# KiCad board AmigaPCI Mainboard.kicad_pcb (continued)
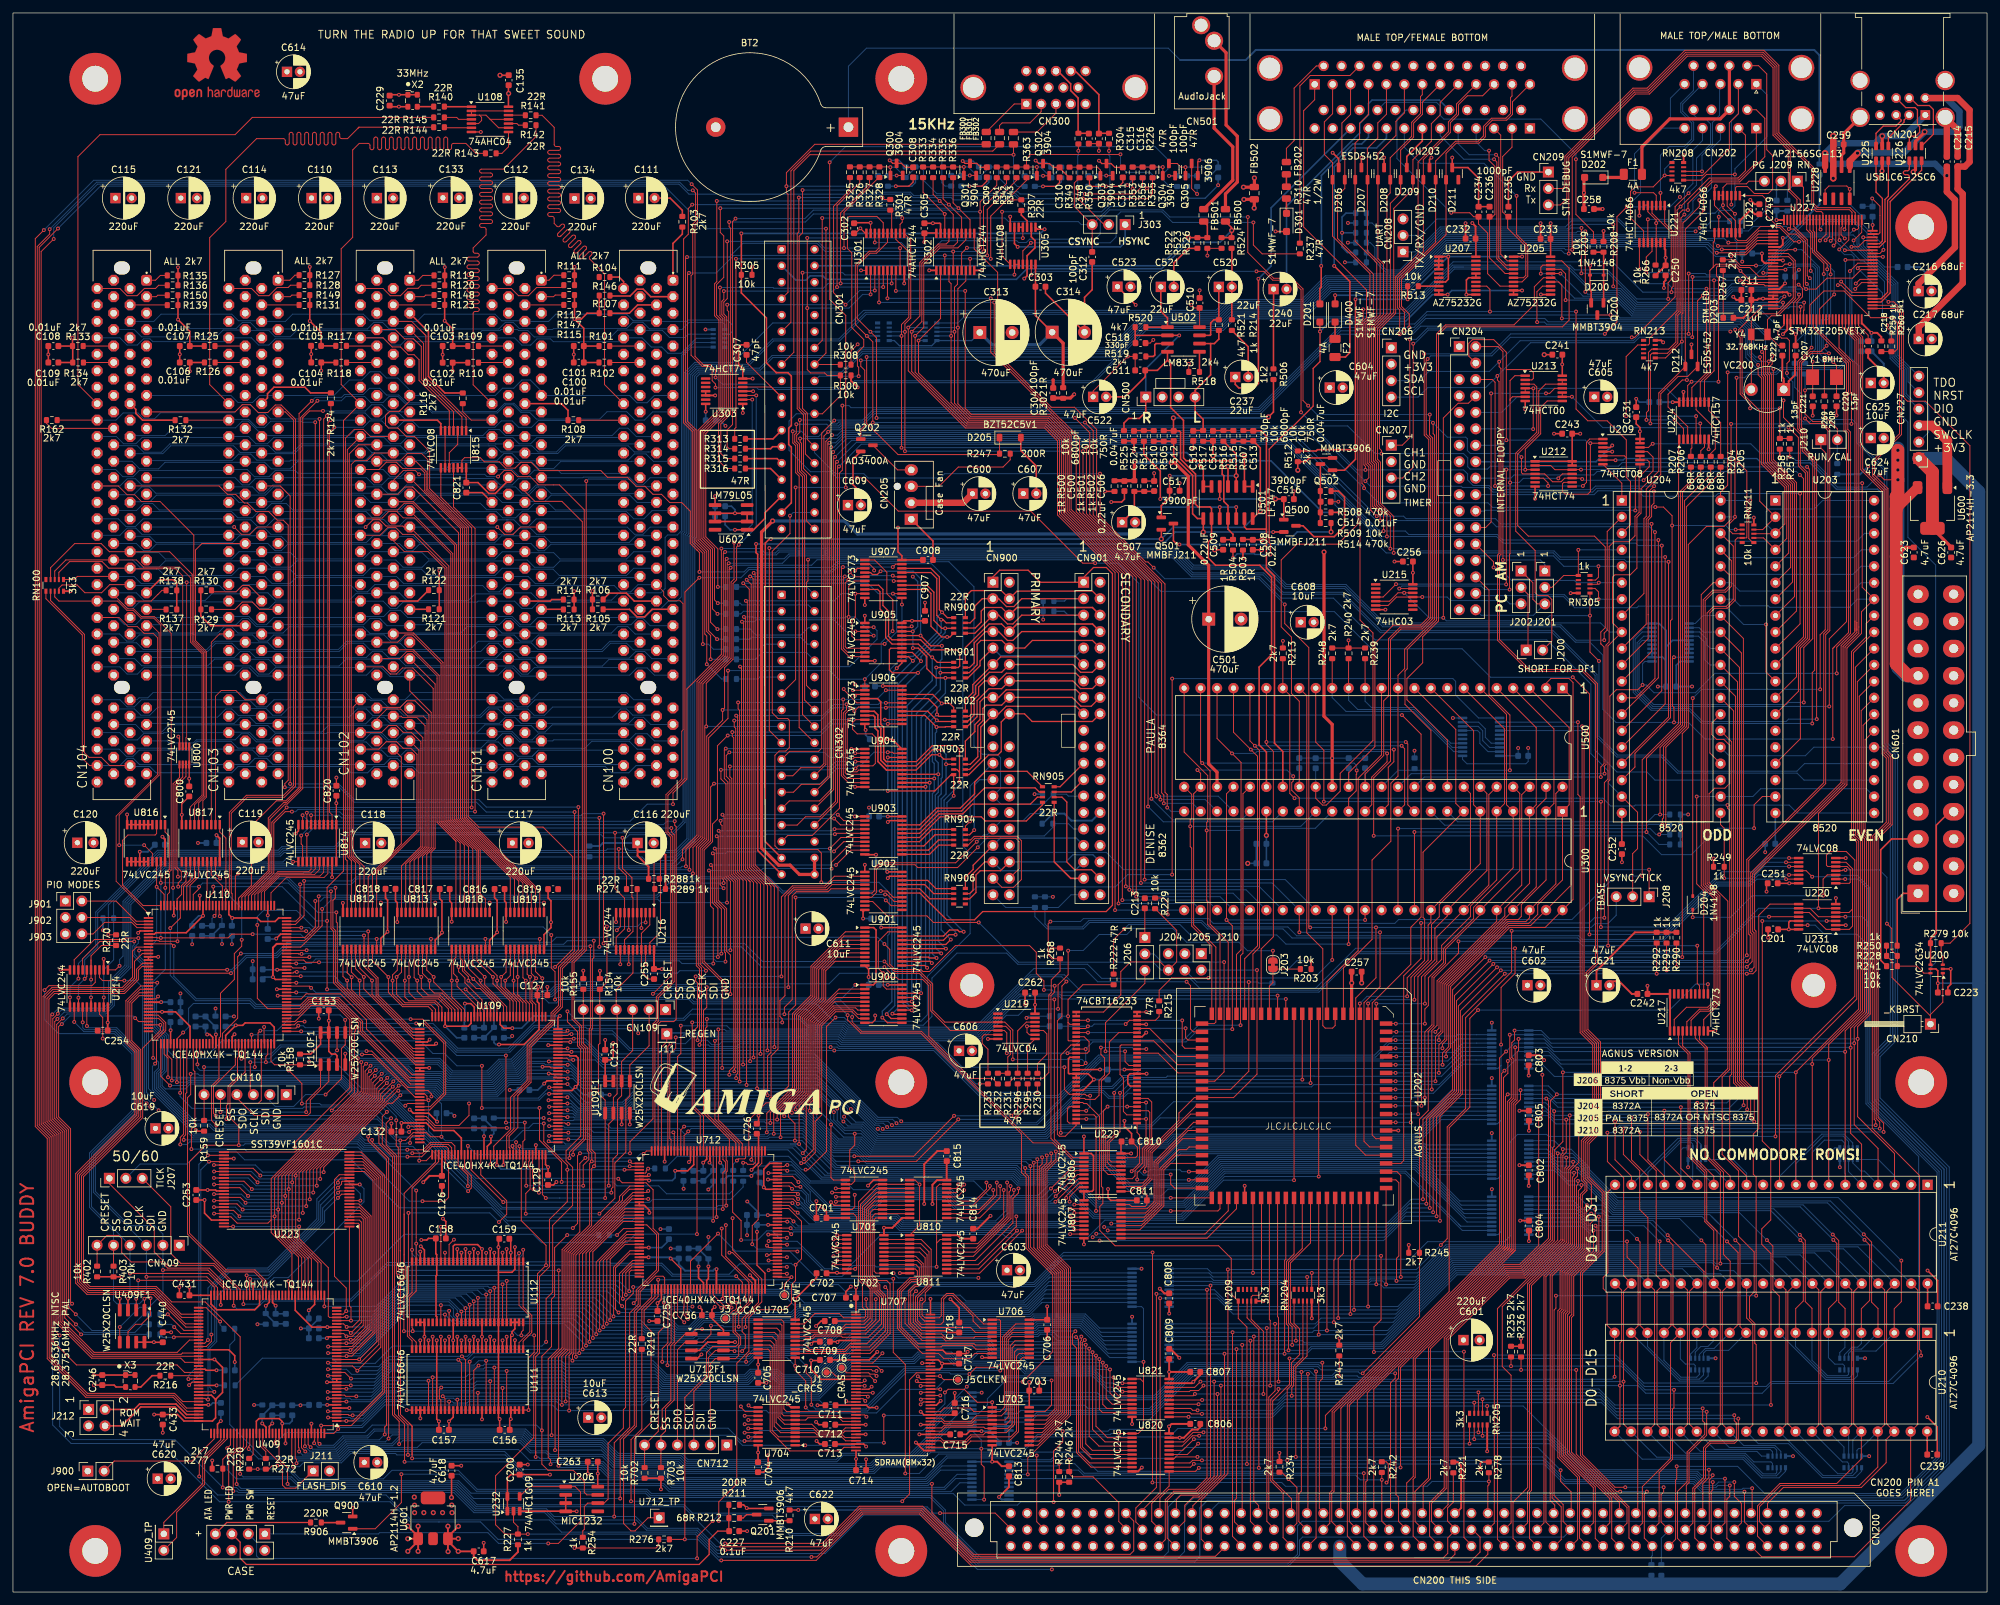
[diagram p0: board, top side]
## Routing (per net, layer and track width the routed paths; a pad name or vN(x,y) marks a point on that pad's centre or on a via; arc(x,y) is an arc through that point) (continued)
/PCI Bus/SMBCLK3: length 8.7
  Top w0.15: 38.4,153.48 36.46,155.42 35.41,155.42 34.44,154.45 30.9,154.45
/PCI Bus/SMBCLK4: length 6.2
  Top w0.15: R138.2 23.01,154.68 22.36,154.03 22.35,154.03 21.35,153.02 CN104.A40
/PCI Bus/SMBDAT0: length 11.7
  Top w0.25: CN100.A41 98.69,151.75 97.52,150.59 96.34,150.59 95.18,151.75 R105.2
/PCI Bus/SMBDAT1: length 3.4
  Top w0.25: CN101.A41 84.97,151.75
/PCI Bus/SMBDAT2: length 2.9
  Top w0.25: CN102.A41 64.16,151.75
/PCI Bus/SMBDAT3: length 11.2
  Top w0.15: R129.2 34.27,151.74 35.4,152.87 36.96,152.87 38.07,151.75 CN103.A41
/PCI Bus/SMBDAT4: length 3
  Top w0.15: CN104.A41 23.62,151.75
/PCI Bus/TDI0: length 7.7
  Top w0.25: 92.18,197.48 95.17,197.48 96.45,198.75 CN100.A4
/PCI Bus/TDI1: length 6
  Top w0.15: CN101.A4 85.04,198.75
/PCI Bus/TDI2: length 6.3
  Top w0.15: CN102.A4 65.01,198.75
/PCI Bus/TDI3: length 5.8
  Top w0.15: CN103.A4 44.16,198.75
/PCI Bus/TDI4: length 5.7
  Top w0.15: 23.79,198.75 CN104.A4
/PCI Bus/TMS0: length 10.6
  Top w0.25: 92.25,200.13 95.28,200.13 96.34,201.19 97.31,201.19 98.47,200.02 CN100.A3
/PCI Bus/TMS1: length 3.6
  Top w0.15: CN101.A3 83.47,200.02 83.73,200.28 R147.2
/PCI Bus/TMS2: length 3.9
  Top w0.15: CN102.A3 63.48,200.02 63.72,200.27 R148.2
/PCI Bus/TMS3: length 3.3
  Top w0.15: CN103.A3 42.82,200.02 43.06,200.27 R149.2
/PCI Bus/TMS4: length 3.3
  Top w0.15: R150.2 22.36,200.25 22.13,200.02 CN104.A3
/Power and Spares/_BTNRST: length 301.6
  Top w0.15: R254.1 87.98,9.44 88.22,9.68 88.22,13.21 88.74,13.74 U206.6 91.27,13.74 91.89,14.36 91.89,22.95 94.25,25.31 94.25,28.16 94.59,28.5 94.59,44.95 95.77,46.13 v1(95.77,47.1) ; v1(272.13,70.36) 272.13,79.77 284.38,92.01 284.38,113.03 283.06,114.35 280.55,114.35 280,113.8 280,112.24 280.2,112.04 U220.5 283.18,112.04 283.68,111.54 283.68,109.6 283.52,109.44 U220.1
  Bottom w0.15: v1(95.77,47.1) 97.01,47.1 97.36,46.75 120.94,46.75 121.55,46.14 138.23,46.14 139.27,47.18 157.8,47.18 162.01,51.39 215.71,51.39 218.42,54.11 230.29,54.11 231.16,54.98 231.16,69.53 232.3,70.66 236.8,70.66 237.11,70.36 v1(272.13,70.36)
/Power and Spares/_KBRSTH: length 28.4
  Top w0.15: U220.4 282.43,111.39 282.55,111.5 v1(282.94,111.5) ; U200.6 295.04,95.57 293.96,96.65 R241.2 R228.2 290.09,99.08 290.09,102.46 v1(289.34,103.21)
  Bottom w0.15: v1(289.34,103.21) 289.34,110.36 288.19,111.5 v1(282.94,111.5)
/Power and Spares/E_FANPWM: length 7.5
  Top w0.15: Q202.3 136.58,173.28 CN205.4
/Power and Spares/E_FANTACH: length 17.9
  Top w0.15: R247.1 153.98,174.84 152.86,173.72 145.96,173.72 142.98,170.74 CN205.3
/Serial/_RxD-IN: length 22.3
  Top w0.15: U205.2 230.74,205.56 229.71,206.58 229.71,224.98 CN203.28
/Serial/_TxD-OUT: length 26.8
  Top w0.15: CN203.27 231.45,223.11 230.01,221.67 230.01,213.11 230.78,212.34 230.78,210.6 233.58,207.79 233.58,203.31 233.23,202.95 U205.6
/Serial/AUDIOOUT: length 50.5
  Top w0.25: v1(192.3,202.79) 192.3,202.79 192.3,186.63 191.61,185.94 189.27,185.94 188.72,186.49 C237.1
  Bottom w0.25: CN203.36 194.26,213.75 194.26,204.75 v1(192.3,202.79)
/Serial/CD: length 83.6
  Top w0.15: v1(239.15,196.67) 239.15,201.82 238.67,202.31 U205.14 ; U203.7 274.77,155.96 274.77,171.08 271.2,174.65 271.2,187.93 270.88,188.25 270.88,189.39 271.1,189.61 v1(271.1,190.04)
  Bottom w0.15: v1(271.1,190.04) 269.33,190.04 268.16,191.21 268.16,195.12 266.83,196.45 247.75,196.45 247.53,196.67 v1(239.15,196.67)
/Serial/CD-IN: length 39.4
  Top w0.15: 233.54,208.27 233.88,207.92 233.88,203.19 233,202.31 U205.7 ; 233.54,208.27 232.16,209.64 v1(232.16,215.6) ; 233.54,208.27 233.81,207.99
  Bottom w0.15: v1(232.16,215.6) 227.14,220.62 217.3,220.62 214.83,223.09 CN203.33
/Serial/CTS: length 82
  Top w0.15: v1(235.9,203.58) 235.9,204.58 236.23,204.9 U205.18 ; U203.6 274.47,158.2 274.47,170.95 270.9,174.52 270.9,187.8 270.57,188.13 v1(270.57,192.17)
  Bottom w0.15: v1(270.57,192.17) 270.57,193.98 267.2,197.35 250.06,197.35 247.61,199.8 241.11,199.8 237.33,203.58 v1(235.9,203.58)
/Serial/CTS-IN: length 27.8
  Top w0.15: v1(228.99,221.95) 229.41,221.53 229.41,206 230.5,204.9 U205.3
  Bottom w0.15: v1(228.99,221.95) 224.84,221.95 223.14,223.64 CN203.30
/Serial/DSR: length 77.5
  Top w0.15: v1(239.73,199.5) 239.73,203.54 239.02,204.25 237.41,204.25 ; U203.5 274.17,160.44 274.17,170.83 270.6,174.4 270.6,187.68 270.27,188 270.27,191.27 v1(270.05,191.5)
  Bottom w0.15: v1(270.05,191.5) 268.76,192.79 268.76,195.37 267.08,197.05 249.94,197.05 247.49,199.5 v1(239.73,199.5)
/Serial/DSR-IN: length 29.7
  Top w0.15: 231.69,204.25 230.73,204.25 229.11,205.88 229.11,220.82 v1(228.68,221.25)
  Bottom w0.15: CN203.31 220.37,224.88 224.01,221.25 v1(228.68,221.25)
/Serial/DTR: length 92.6
  Top w0.15: U203.9 275.37,151.48 275.37,171.33 271.8,174.9 v1(271.8,188.86) ; v1(235.33,196.1) 235.3,196.13 235.3,200.79 236.16,201.66 237.41,201.66
  Bottom w0.15: v1(271.8,188.86) 269.34,188.86 267.56,190.64 267.56,194.87 266.66,195.77 236.79,195.77 236.46,196.1 v1(235.33,196.1)
/Serial/DTR-OUT: length 39.7
  Top w0.15: 231.69,201.66 229.62,201.66 227.69,203.58 227.69,209.84 226.29,211.24 C234.1 225.54,212.37 224.92,212.99 v1(222.07,212.99)
  Bottom w0.15: v1(222.07,212.99) 213.69,221.36 213.69,227.45 215.09,228.85 CN203.45
/Serial/PWRLED: length 393.6
  Top w0.2: v1(247.44,174.77) 247.41,174.8 U209.6 ; v1(121.25,12.67) R210.1
  Bottom w0.2: v1(247.44,174.77) 247.48,174.81 248.63,174.81 248.85,175.03 269.25,175.03 269.93,174.36 277.48,174.36 281.54,170.3 287.89,170.3 288.58,169.61 288.58,130.87 290.24,129.21 290.24,85.72 287.48,82.96 287.48,75.96 298.17,65.28 298.17,20.26 292.06,14.15 184.42,14.15 183.24,12.97 183.24,5.45 182.45,4.66 149.18,4.66 141.02,12.82 130.65,12.82 130.5,12.67 v1(121.25,12.67)
/Serial/RI: length 49.9
  Top w0.15: v1(241.32,221.25) 241.32,212.73 244.02,210.02 R209.1
  Bottom w0.15: CN203.47 211.87,230.04 219.8,230.04 220.37,229.47 220.37,228.02 220.94,227.45 235.91,227.45 241.32,222.04 v1(241.32,221.25)
/Serial/RTS: length 84.1
  Top w0.15: v1(271.62,190.86) 271.62,189.64 271.18,189.19 271.18,188.38 271.5,188.05 271.5,174.77 275.07,171.2 275.07,153.72 U203.8 ; v1(238.93,203.6) 238.93,203.6 U205.16
  Bottom w0.15: v1(271.62,190.86) 271.62,193.35 267.33,197.65 250.19,197.65 247.74,200.1 242.43,200.1 v1(238.93,203.6)
/Serial/RTS-OUT: length 26.9
  Top w0.15: v1(227.91,222.58) 227.91,221.06 228.81,220.16 228.81,212.72 228.46,212.38 C236.1 227.99,206.01 230.39,203.6 U205.5
  Bottom w0.15: v1(227.91,222.58) 227.23,222.58 225.91,223.89 CN203.29
/Serial/SERAUD: length 47.9
  Bottom w0.25: 196.64,200.51 196.64,214 207.96,225.32 207.96,226.78 209.3,228.12 209.3,229.84 209.85,230.39 220.22,230.39 CN203.43
/Video/BLU0: length 115.7
  Top w0.15: U302.11 148.42,207.4 152.04,203.78 v1(152.04,196.79) 152.04,191.25 160.33,182.95 163.91,182.95 167.32,179.54 167.32,166.22 177.87,155.67 177.87,123.5 178.22,123.16 v1(178.22,121.14)
  Bottom w0.15: U300.24 178.81,120.54 v1(178.22,121.14) ; RN301.1 145.9,195.97 146.71,196.79 v1(152.04,196.79)
/Video/BLU1: length 141.5
  Top w0.15: v1(170.16,105.31) 170.16,157.44 161.28,166.32 161.28,177.76 159.28,179.76 147.06,179.76 138.24,188.58 v1(138.24,195.26) 140.03,197.05 140.03,205.32 142.87,208.16 144.09,208.16 144.52,208.59 U302.17
  Bottom w0.15: v1(138.24,195.26) 138.25,195.25 RN301.9 ; U300.25 170.17,105.3
/Video/BLU2: length 143.3
  Top w0.15: U302.15 145.82,208.42 145.26,207.86 142.99,207.86 140.33,205.2 140.33,196.17 v1(138.76,194.61) 138.76,188.48 147.18,180.06 159.4,180.06 161.58,177.88 161.58,166.44 170.7,157.32 v1(170.7,106.33)
  Bottom w0.15: U300.26 182.35,106.33 174.85,106.33 174.85,106.32 170.7,106.32 v1(170.7,106.33) ; RN301.8 v1(138.76,194.61)
/Video/BLU3: length 145.1
  Top w0.15: v1(171.29,106.85) 171.29,157.15 161.88,166.56 161.88,178.01 159.53,180.36 147.31,180.36 139.3,188.37 v1(139.3,193.97) 140.63,195.3 140.63,205.07 143.12,207.56 145.89,207.56 147.12,208.79 U302.13
  Bottom w0.15: v1(171.29,106.85) 171.3,106.85 184.36,106.85 U300.27 ; RN301.7 v1(139.3,193.97)
/Video/BUR: length 132.9
  Top w0.15: U301.4 133.72,199.14 v1(133.72,199.14) ; v1(175.26,121.3) 175.26,156.16 164.69,166.72 164.69,178.2 161.91,180.98 161.88,180.98 151.51,191.35 v1(151.51,199.14)
  Bottom w0.15: v1(151.51,199.14) v1(133.72,199.14) ; U300.18 194.46,118.94 177.62,118.94 v1(175.26,121.3)
/Video/C4: length 15.5
  Top w0.15: C307.1 113.27,189.9 CN301.19 117.09,186.08 U303.5
/Video/GRN0: length 134.9
  Top w0.15: v1(173.44,107.38) 173.44,156.7 163.08,167.06 163.08,178.51 160.03,181.56 147.83,181.56 145.9,183.49 v1(145.9,195.25) 145.9,201.24 147.12,202.47 U302.8
  Bottom w0.15: U300.28 186.37,107.38 v1(173.44,107.38) ; RN301.2 v1(145.9,195.25)
/Video/GRN1: length 136.8
  Top w0.15: U302.6 145.82,201.93 145.37,201.48 v1(145.37,194.61) 145.37,183.59 147.7,181.26 159.9,181.26 162.78,178.38 162.78,166.94 172.9,156.82 v1(172.9,107.91)
  Bottom w0.15: v1(172.9,107.91) 188.38,107.91 U300.29 ; RN301.3 v1(145.37,194.61)
/Video/GRN2: length 139
  Top w0.15: U302.4 144.52,202.36 144.85,202.03 v1(144.85,193.97) 144.85,183.69 147.58,180.96 159.78,180.96 162.48,178.26 162.48,166.81 172.36,156.93 v1(172.36,108.44)
  Bottom w0.15: U300.30 190.39,108.44 v1(172.36,108.44) ; RN301.4 v1(144.85,193.97)
/Video/GRN3: length 143.7
  Top w0.15: U302.2 143.22,196.65 v1(139.82,193.25) 139.82,188.27 147.43,180.66 159.65,180.66 162.18,178.13 162.18,166.69 171.81,157.05 v1(171.81,108.97)
  Bottom w0.15: v1(171.81,108.97) 192.4,108.97 U300.31 ; RN301.6 v1(139.82,193.25)
/Video/PSW: length 148.2
  Top w0.15: v1(174.73,110.02) 174.73,110.6 174.73,110.6 174.73,156.26 164.17,166.82 164.17,178.27 150.96,191.47 150.96,199.76 v1(150.97,199.77) ; U301.6 135.02,199.77 v1(135.02,199.77)
  Bottom w0.15: v1(174.73,110.02) 196.44,110.02 U300.33 ; v1(150.97,199.77) v1(135.02,199.77)
/Video/RED0: length 139.5
  Top w0.15: v1(165.22,176.17) 165.22,166.62 175.78,156.06 v1(175.78,122.5) ; v1(137.72,176.17) 137.71,176.18 v1(137.71,194.6) 137.71,195.83 138.62,196.73 138.62,208.8 137.61,209.81
  Bottom w0.15: U300.20 189.69,119.24 179.04,119.24 v1(175.78,122.5) ; v1(165.22,176.17) v1(137.72,176.17) ; RN302.8 137.7,194.61 v1(137.71,194.6)
/Video/RED1: length 136.1
  Top w0.15: v1(176.54,122.86) 176.54,122.99 176.31,123.22 176.31,155.96 165.74,166.52 v1(165.74,176.72) ; U301.13 136.32,208.88 136.82,208.38 136.87,208.38 138.32,206.93 138.32,196.86 137.19,195.73 v1(137.19,193.97) v1(137.19,176.71)
  Bottom w0.15: v1(176.54,122.86) 176.58,122.89 186.1,122.89 U300.21 ; 165.72,176.7 v1(165.74,176.72) 137.2,176.72 v1(137.19,176.71) ; RN302.9 v1(137.19,193.97)
/Video/RED2: length 137.9
  Top w0.15: v1(177.17,122.37) 177.17,122.97 176.83,123.31 176.83,155.86 166.26,166.42 166.26,179 v1(163.97,181.3) ; v1(133.34,181.3) 133.34,193.66 v1(132.39,194.61) 130.37,196.63 130.37,204.77 132.33,206.74 133.33,206.74 135.02,208.43 U301.15
  Bottom w0.15: v1(163.97,181.3) v1(133.34,181.3) ; RN302.3 v1(132.39,194.61) ; v1(177.17,122.37) 184.08,122.37 U300.22
/Video/RED3: length 136.9
  Top w0.15: U301.17 133.72,207.55 133.21,207.04 132.21,207.04 130.06,204.9 130.06,195.74 v1(131.84,193.97) 132.76,193.05 v1(132.76,180.6) ; v1(177.69,121.79) 177.69,123.06 177.7,123.07 177.36,123.41 177.36,155.76 166.79,166.32 166.79,179.32 v1(165.52,180.59)
  Bottom w0.15: v1(132.76,180.6) 132.76,180.59 v1(165.52,180.59) ; v1(177.69,121.79) 182.12,121.79 U300.23 ; v1(131.84,193.97) RN302.2
_ADDRESSEN: length 102
  Top w0.15: U109.52 72.23,64.43 76.24,60.43 76.24,58.33 v1(75.03,57.13) ; U111.29 v1(60.8,28.1) ; v1(61.06,58.55) 61.06,46.13 60.36,45.43 v1(60.36,40.28) ; v1(78.5,39.64) 78.5,40.15 78.77,40.42 U112.56 ; U111.56 v1(79.61,28.1) 79.61,36.17 80.47,37.03 v1(80.47,39.64) ; v1(61.72,40.28) 61.72,40.71 61.62,40.81 U112.29
  Bottom w0.15: v1(75.03,57.13) 73.62,58.55 61.06,58.55 v1(61.06,58.55) ; v1(60.8,28.1) v1(79.61,28.1) ; v1(80.47,39.64) v1(78.5,39.64) 77.9,39.64 77.26,40.28 61.73,40.28 v1(61.72,40.28) v1(60.36,40.28)
_AS: length 112.5
  Top w0.15: U202.24 v1(195.26,92.1) ; U712.116 112.62,69.23 108.91,72.93 v1(108.91,86.88)
  Bottom w0.15: v1(195.26,92.1) 161.87,92.1 161.63,92.34 155.38,92.34 149.07,86.03 128.48,86.03 127.88,86.63 110.12,86.63 109.88,86.88 v1(108.91,86.88)
_AUTOVECTOR: length 131.6
  Top w0.15: U409.115 33.58,22.71 v1(33.08,22.21) ; v1(143.14,12.19) 151.66,12.19 154.22,9.63
  Bottom w0.15: v1(143.14,12.19) 142.12,12.19 141.16,13.15 140.43,13.15 140.38,13.19 119.2,13.19 118.19,12.18 104.93,12.18 103.64,13.48 71.67,13.48 68.57,16.57 43.79,16.57 42.88,17.48 34.47,17.48 33.08,18.88 v1(33.08,22.21)
_AWE: length 53.7
  Top w0.15: U202.21 199.07,79.14 v1(199.08,79.13) ; v1(170.03,77.08) 170.03,70.59 168.95,69.51 168.95,66.35 169.53,65.77 U806.17
  Bottom w0.15: v1(199.08,79.13) 171.92,79.13 170.03,77.24 v1(170.03,77.08)
_BB: length 25.8
  Top w0.15: 172,9.63 170.74,10.89 170.74,13.82 166.77,17.79 163.57,17.79 163.08,18.28 R246.2 v1(163.08,20.46)
  Bottom w0.15: v1(163.08,20.46) 163.07,20.46 160.69,20.46 160.35,20.12 U809.11
_BG: length 277.4
  Top w0.15: 225.35,7.11 224.03,8.43 v1(224.03,37.12) ; v1(49.23,74.36) 52.31,77.45 52.31,88.51 49.95,90.87 45.89,90.87 44.11,89.09 U110.78 ; v1(59.5,48.88) 59.2,49.18 59.2,67.43 57.62,69.01 57.62,72.4 v1(58.38,73.16) ; v1(211.23,51.91) 211.23,42.03 210.13,40.94 v1(210.13,37.06)
  Bottom w0.15: 60.4,48.88 59.99,48.88 59.99,48.88 ; 60.4,48.88 59.5,48.88 v1(59.5,48.88) ; 60.4,48.88 96.81,48.88 98.21,47.48 127.46,47.48 128.5,46.44 138.11,46.44 139.15,47.48 157.68,47.48 162.11,51.91 v1(211.23,51.91) ; v1(210.13,37.06) 210.19,37.12 224.03,37.12 v1(224.03,37.12) ; v1(49.23,74.36) 56.4,74.36 57.6,73.16 v1(58.38,73.16)
_BHS: length 257.8
  Top w0.15: v1(133.07,208.4) 133.07,208.4 U301.18 ; v1(190.66,212.33) 190.66,206.85 194.64,202.87 197.54,202.87 199.18,201.23 199.18,184 v1(199.98,183.2) ; v1(268.83,117.95) 268.83,121.56 270.11,122.84 U203.19 ; v1(218.76,181.83) 218.76,181.3 218.72,181.26 218.72,178.69 219.2,178.21 219.2,150.32 217.59,148.71 214.32,148.71 212.69,147.08 212.69,128.31 210.1,125.71 210.1,116.78 v1(210.1,116.78)
  Bottom w0.15: v1(133.07,208.4) 137.13,208.4 137.92,207.61 142.35,207.61 143.41,208.67 154.99,208.67 155.26,208.39 156.46,208.39 156.98,208.91 167.06,208.91 167.88,209.73 167.88,211.98 169.33,213.42 177.54,213.42 178.63,212.33 v1(190.66,212.33) ; v1(268.83,117.95) 263.21,117.95 259.13,113.87 254.53,113.87 251.63,116.77 210.11,116.77 v1(210.1,116.78) ; v1(199.98,183.2) 201.35,181.83 v1(218.76,181.83)
_BLS: length 122.6
  Top w0.15: U202.19 v1(201.61,64.16) ; v1(114,66.76) 114,67.03 114.12,67.15 U712.113
  Bottom w0.15: v1(201.61,64.16) 187.05,64.16 180.61,57.72 166.76,57.72 161.49,63 160.03,63 158.27,61.24 150.59,61.24 148.37,63.46 123.14,63.46 120.14,66.46 116.91,66.46 116.23,65.79 114.97,65.79 v1(114,66.76)
_BR: length 205.3
  Top w0.15: 197.41,12.19 197.41,14.4 194.5,17.31 194.5,29.48 197.1,32.08 v1(197.1,36.07) ; U231.13 v1(277.1,102.98)
  Bottom w0.15: v1(197.1,36.07) 197.1,36.07 247.58,36.07 251.89,31.75 270.71,31.75 271.47,32.51 289.59,32.51 294.24,37.16 294.24,67.26 286.11,75.39 286.11,100.19 284.71,101.59 279.65,101.59 278.26,102.98 v1(277.1,102.98)
_BRIDGEEN: length 98.8
  Top w0.15: v1(70.28,61.9) 70.76,62.38 70.76,64.27 69.73,65.3 U109.47 ; U110.63 35.84,80.31 33.5,77.97 33.5,73.24 34.87,71.87 v1(34.87,69) 29.78,69 27.26,66.48 27.26,55.4 32.93,49.74 37.37,49.74 39.08,48.02 U409.55
  Bottom w0.15: v1(70.28,61.9) 70.28,61.9 66.09,66.09 58.92,66.09 56.63,68.38 54.02,68.38 53.18,69.22 35.84,69.22 35.61,69 v1(34.87,69)
_BRST: length 227.5
  Top w0.15: v1(157.23,203.41) U305.13 ; v1(232.91,175.26) 232.91,172.85 233.1,172.66 U212.4 236.5,172.66 237.71,171.45 239.03,171.45 239.59,172.01 U212.10 242.15,172.01 v1(242.3,171.86) ; U202.16 205.42,96.36 209.85,100.79 209.85,113.03 212.75,115.94 212.75,124.9 213.85,126 U500.11 213.85,141.56 214.88,142.58 214.88,145.57 219.5,150.2 219.5,178.65 219.28,178.87 219.28,180.52 v1(219.25,180.55) ; v1(251.78,171.68) 253.23,173.13 253.23,175.25 252.38,176.1 U209.11 ; v1(198.88,182.17) 198.88,201.1 197.41,202.57 194.52,202.57 193.15,203.94 v1(192,203.94)
  Bottom w0.15: v1(198.88,182.17) 200.14,180.91 218.89,180.91 v1(219.25,180.55) 221.47,178.33 224.32,178.33 224.56,178.09 224.56,176.26 225.01,175.81 232.36,175.81 v1(232.91,175.26) ; v1(251.78,171.68) 242.48,171.68 v1(242.3,171.86) ; v1(157.23,203.41) 157.76,203.94 v1(192,203.94)
_BUFEN: length 265.6
  Top w0.15: v1(36.41,22.08) 36.41,22.5 36.58,22.67 U409.121 ; v1(236.14,79.87) 236.14,73.53 v1(235.57,72.96) v1(235.57,64.49) v1(235.57,55.84) 235.57,53.52 232.65,50.6 230.21,50.6 214.24,34.63 v1(214.24,19.25)
  Bottom w0.15: U802.19 v1(235.57,55.84) ; v1(236.14,79.87) 236.14,81.05 235.68,81.51 U823.19 ; v1(235.57,72.96) 235.56,72.95 U822.19 ; U803.19 v1(235.57,64.49) ; v1(36.41,22.08) 37.93,20.56 50.46,20.56 51.9,22 78.07,22 79.74,20.33 84.5,20.33 84.51,20.32 85.07,20.32 85.56,19.83 91.03,19.83 92.32,18.54 101.46,18.54 102.64,17.37 140.92,17.37 144.26,20.7 155.5,20.7 155.78,20.43 160.23,20.43 160.79,20.99 165.13,20.99 167.48,18.64 192.94,18.64 193.54,19.25 v1(214.24,19.25)
_BURST: length 27
  Top w0.15: U109.16 61.24,79.44 53.99,86.69 53.99,88.1 50.32,91.77 45.52,91.77 44.34,90.59 U110.81
_BUSGRANT0: length 143
  Top w0.15: U110.119 35.34,107.3 39.43,111.38 39.43,119.52 41.83,121.93 42.24,121.93 44.43,124.12 44.43,181.36 v1(47.01,183.95)
  Bottom w0.13: CN100.A17 98.76,182.23 97.5,180.97 96.06,180.97 94.77,182.26 91.72,182.26 90.59,181.13 80.82,181.13 79.79,182.16 78.43,182.16 77.25,183.34 76.05,183.34 74.78,182.07 64.72,182.07 63.37,183.42 60.65,183.42 59.46,184.61 58.07,184.61 57.13,183.67 55.26,183.67 54.32,184.61 51.37,184.61 50.71,183.95 v1(47.01,183.95)
_BUSGRANT1: length 122
  Top w0.15: U110.120 34.84,107.15 36.81,109.12 36.81,118.31 40.68,122.18 42.13,122.18 44.18,124.22 44.18,181.97 v1(46.14,183.94)
  Bottom w0.13: v1(46.14,183.94) 46.69,184.48 50.74,184.48 51.17,184.92 54.08,184.92 55.04,185.88 56.64,185.88 57.68,184.84 59.56,184.84 60.75,183.65 63.47,183.65 64.82,182.3 74.68,182.3 75.95,183.57 77.35,183.57 78.52,182.4 81.42,182.4
_BUSGRANT2: length 97
  Top w0.15: U110.118 35.84,107.44 39.68,111.28 39.68,119.32 42.03,121.68 42.34,121.68 44.74,124.08 44.74,181.33 45.79,182.38 v1(47.87,182.38)
  Bottom w0.13: CN102.A17 59.91,182.23 59.75,182.4 57.88,182.4 56.94,183.34 55.38,183.34 54.42,182.38 v1(47.87,182.38)
_BUSGRANT3: length 85.6
  Top w0.15: U110.124 32.84,107.53 33.41,108.1 33.41,120.4 36.04,123.03 41.78,123.03 43.32,124.57 43.32,180.96 42.06,182.23 CN103.A17
_BUSGRANT4: length 108
  Top w0.15: CN104.A17 34.29,182.23 35.4,183.35 36.66,183.35 37.87,182.14 39.34,182.14 40.5,183.3 41.41,183.3 43.62,181.09 43.62,124.45 41.91,122.73 36.17,122.73 33.71,120.27 33.71,107.95 33.84,107.82 U110.122
_BUSREQ0: length 13.8
  Top w0.13: U110.110 39.84,107.97 42.19,110.32 48.01,110.32 48.62,110.94 U814.18
_BUSREQ1: length 13.7
  Top w0.13: U814.16 47.32,111.55 46.56,110.78 41.09,110.78 38.34,108.04 U110.113
_BUSREQ2: length 14.2
  Top w0.13: U814.17 47.97,111.14 47.38,110.55 41.19,110.55 38.84,108.21 U110.112
_BUSREQ3: length 13.2
  Top w0.13: U814.14 46.03,111.59 45.68,111.24 40.9,111.24 37.34,107.69 U110.115
_BUSREQ4: length 13.4
  Top w0.13: U814.15 46.68,111.66 46.03,111.01 40.99,111.01 37.84,107.86 U110.114
_CASL: length 23.2
  Top w0.15: U229.55 165.73,73.05 v1(165.73,73.05) ; v1(172.03,74.96) 172.03,74.96 U229.5 ; U806.15 169.11,64.47 168.35,65.23 168.35,74.3 v1(169.01,74.96)
  Bottom w0.15: v1(165.73,73.05) 167.1,73.05 v1(169.01,74.96) v1(172.03,74.96)
_CASU: length 17.2
  Top w0.15: v1(174.95,75.59) 173.56,75.59 ; U806.14 172.81,63.82 173.25,64.26 173.25,65.09 174.37,66.21 174.37,68.46 174.95,69.04 v1(174.95,73.05) 174.95,73.05 U229.2
  Bottom w0.15: v1(174.95,73.05) v1(174.95,75.59)
_CBE0: length 112.5
  Top w0.13: U817.2 31.28,138.33 32.15,139.21
  Top w0.15: 32.15,139.21 34.42,139.21 35.84,137.78 CN103.A52
  Bottom w0.13: CN101.A52 80.13,137.78 81.24,138.89 94.74,138.89 95.85,137.78 CN100.A52 ; CN103.A52 39.51,138.89 54.42,138.89 55.43,137.88 58.63,137.88 ; 38.31,137.88 36.04,137.88 35.03,138.89 21.63,138.89 20.82,138.08 19.47,138.08 19.17,137.78 CN104.A52 ; 78.96,137.87 75.8,137.87 74.78,138.89 61.64,138.89 60.53,137.78 CN102.A52
_CBE1: length 114.9
  Top w0.13: 31.9,147.94 30.62,146.67 U817.3
  Top w0.15: CN103.B44 31.9,147.94
  Bottom w0.13: 33.47,147.79 37,147.79 37.95,146.84 39.31,146.84 40.25,147.78 53.48,147.78 ; 74.1,147.78 77.38,147.78 78.32,146.84 80.17,146.84 81.11,147.78 94.11,147.78 ; 73.87,147.85 60.86,147.85 59.85,146.84 58.27,146.84 57.3,147.81 53.78,147.81 ; 33.17,147.79 19.49,147.79 18.54,146.84 17.56,146.84 16.46,147.94 CN104.B44
_CBE2: length 135.8
  Top w0.13: U817.5 29.32,122.19 29.89,122.76 29.89,145.21 28.71,146.39
  Top w0.15: CN103.B33 29.19,161.91 28.18,160.9 28.18,146.92 28.71,146.39
  Bottom w0.13: 56.07,161.81 42.43,161.81 41.42,160.8 40.47,160.8 39.36,161.91 35.85,161.91 ; 56.18,161.91 59.68,161.91 60.8,160.79 61.74,160.79 62.75,161.8 76.39,161.8 ; 96.7,161.8 83.06,161.8 82.05,160.79 81.11,160.79 79.99,161.91 76.49,161.91 ; 35.76,161.81 22.12,161.81 21.11,160.8 20.16,160.8 19.05,161.91 CN104.B33
_CBE3: length 147.8
  Top w0.13: U817.6 28.68,121.87 29.66,122.86 29.66,145.1 27.93,146.84 27.93,147.87 ; 16.26,170.8 17.62,169.44 18.8,169.44 19.84,168.4 22.72,168.4 23.12,168
  Top w0.15: 23.12,168 27.93,163.19 27.93,147.87 ; 16.26,170.8 CN104.B26
  Bottom w0.13: CN104.B26 16.52,170.8 17.63,171.91 18.92,171.91 19.88,170.95 33.18,170.95 ; 73.8,170.95 60.74,170.95 59.46,169.66 57.84,169.66 56.84,170.66 53.77,170.66 ; 53.49,170.95 40.13,170.95 38.87,169.69 37.94,169.69 36.97,170.66 33.46,170.66 ; 74.09,170.65 77.61,170.65 78.58,169.68 79.5,169.68 80.76,170.94 80.99,170.94 81,170.95 82.17,170.95 82.18,170.94 94.12,170.94
_CCAS: length 36.7
  Top w0.15: J3.1 111.19,43.46 111.4,43.46 111.7,43.77 v1(111.7,44.68) 111.12,45.26 U712.62 ; U707.18 132.54,34.35 132.75,34.14 v1(133.32,34.14)
  In2.Cu w0.15: v1(111.7,44.68) 125.96,44.68 132.32,38.31 132.32,35.14 v1(133.32,34.14)
_CDACA: length 38
  Top w0.15: R215.1 176.97,92.92 178.87,94.82 v1(184.58,94.82) ; v1(203.7,97.61) 203.69,97.62 U300.34
  Bottom w0.15: v1(203.7,97.61) 200.91,94.82 v1(184.58,94.82)
_CDACB: length 7
  Top w0.15: U219.9 156.93,86.06 156.57,86.42 v1(156.57,87.36) U219.11
  Bottom w0.15: v1(156.57,87.36) 156.58,87.37 R294.1
_CIACS0: length 399.2
  Top w0.15: v1(104.45,111.54) 104.44,111.55 104.44,114.84 106.22,116.63 106.22,140.35 110.28,144.41 110.28,158.63 v1(110.5,158.86) ; v1(9.7,42.89) 8.59,44 8.59,71.41 6.75,73.26 6.75,87.65 v1(7.69,88.58)
  Bottom w0.15: v1(9.7,42.89) 12.2,40.39 17.68,40.39 20.18,42.89 R273.2 ; v1(110.5,158.86) 118.8,158.86 119.94,160 179.15,160 182.08,157.07 193.01,157.07 196,154.08 205.2,154.08 211.13,148.15 237.67,148.15 244.28,141.54 244.28,130.01 247.66,126.63 252.28,126.63 253.53,125.38 U204.23 ; v1(104.45,111.54) 23.57,111.54 18.2,106.17 18.2,96.42 15.65,93.87 15.65,90.58 14.33,89.26 8.36,89.26 v1(7.69,88.58)
_CIACS1: length 423.2
  Top w0.15: v1(9.73,41.34) 8.29,42.77 8.29,71.29 6.45,73.13 6.45,88.09 v1(6.86,88.51) ; v1(110.21,159.55) 109.98,159.32 109.98,144.54 105.92,140.48 105.92,116.75 103.9,114.73 103.9,112.07 v1(103.91,112.06)
  Bottom w0.15: R274.2 20.07,41.34 18.82,40.09 10.98,40.09 v1(9.73,41.34) ; v1(6.86,88.51) 7.92,89.56 14.21,89.56 15.35,90.7 15.35,94 17.9,96.55 17.9,106.29 23.45,111.84 103.09,111.84 103.31,112.06 v1(103.91,112.06) ; v1(110.21,159.55) 111.53,159.55 111.54,159.55 119.07,159.55 119.82,160.3 179.28,160.3 182.2,157.38 193.13,157.38 196.13,154.38 205.33,154.38 211.26,148.45 237.79,148.45 244.58,141.66 244.58,132 247.63,128.94 254.52,128.94 257.01,126.45 275.46,126.45 276.54,125.38 U203.23
_CIPL0: length 24.3
  Top w0.15: U500.13 R239.2
  Bottom w0.15: U500.13 208.77,137.56 209.75,136.58 216.5,136.58 222,131.07 U208.4
_CIPL1: length 27
  Top w0.15: 206.22,139.59 R240.2
  Bottom w0.15: U208.3 222.23,130.42 216.37,136.28 207.64,136.28 206.23,137.69 U500.14
_CIPL2: length 29.6
  Top w0.15: U500.15 R248.2
  Bottom w0.15: U208.2 222.45,129.77 216.25,135.98 205.83,135.98 203.69,138.12 U500.15
_CLK7: length 64.3
  Top w0.15: 155.13,78.46 155.13,74.53 v1(154.15,73.55) ; v1(103.62,71.87) 103.12,71.37 U712.135 ; v1(129.9,67.3) 139.07,67.3 v1(145.31,73.54)
  Bottom w0.15: v1(103.62,71.87) 103.66,71.91 122.09,71.91 126.71,67.3 v1(129.9,67.3) ; v1(145.31,73.54) 154.14,73.54 v1(154.15,73.55)
_CLK40: length 202.2
  Top w0.15: v1(127.01,88.72) 125.62,87.33 125.62,68.06 122.78,65.22 v1(122.39,65.22) ; v1(178.98,141.05) 178.98,110.79 v1(178.97,110.78)
  Bottom w0.15: v1(122.39,65.22) 121.81,65.22 119.74,67.28 102.56,67.28 100.74,65.47 ; U208.11 226.29,134.97 222.75,138.51 222.75,140.63 222.33,141.05 v1(178.98,141.05) ; v1(127.01,88.72) 128.34,88.72 128.92,88.14 140.19,88.14 141.18,89.13 141.18,95.07 147.79,101.68 147.79,107.85 148.83,108.89 170.21,108.89 172.1,110.78 v1(178.97,110.78)
_CLLBE: length 43.6
  Top w0.15: U712.45 102.62,42.68 v1(103.65,41.65) ; v1(128.65,29.5) 128.8,29.35 U707.28
  In2.Cu w0.15: v1(128.65,29.5) 129.62,30.47 129.62,37.19 124.84,41.97 113.82,41.97 113.37,41.52 109.62,41.52 109.22,41.92 104.82,41.92 104.55,41.65 v1(103.65,41.65)
